# Altium PCB STM32ZET6最小系统板.PcbDoc
Units mil, origin at the board's own origin, x right, y up, seen from the top; angles counter-clockwise.
Board outline 2180 x 2150 mil, 2 copper layers (Top Layer, Bottom Layer); 53 components, 130 nets, 382 pads, 0 vias.
Unrouted connection lines stored in the file: 237.
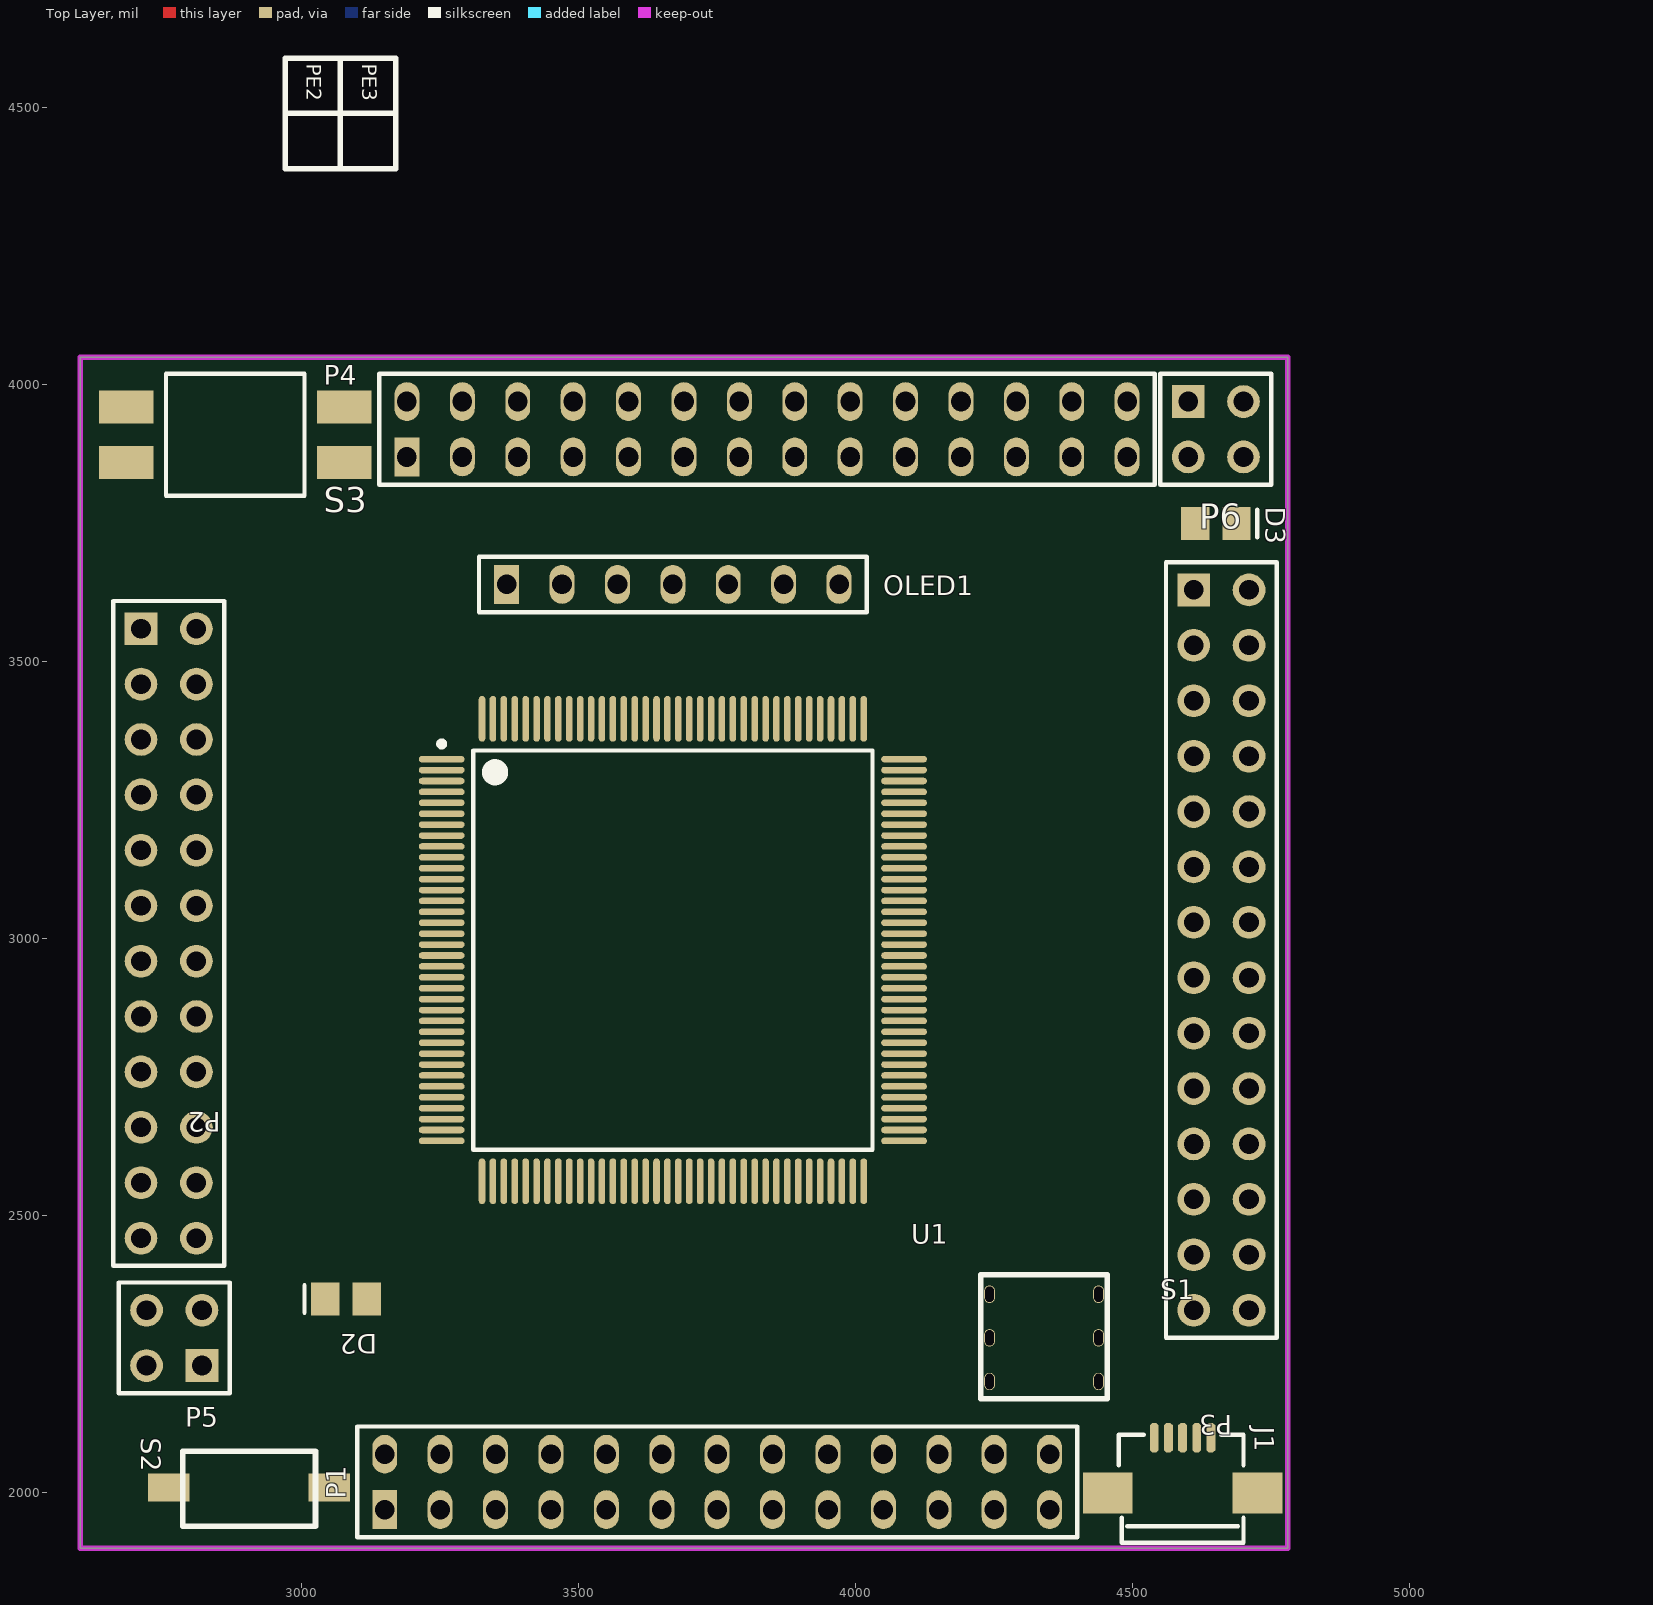
[diagram p0: Top Layer view]
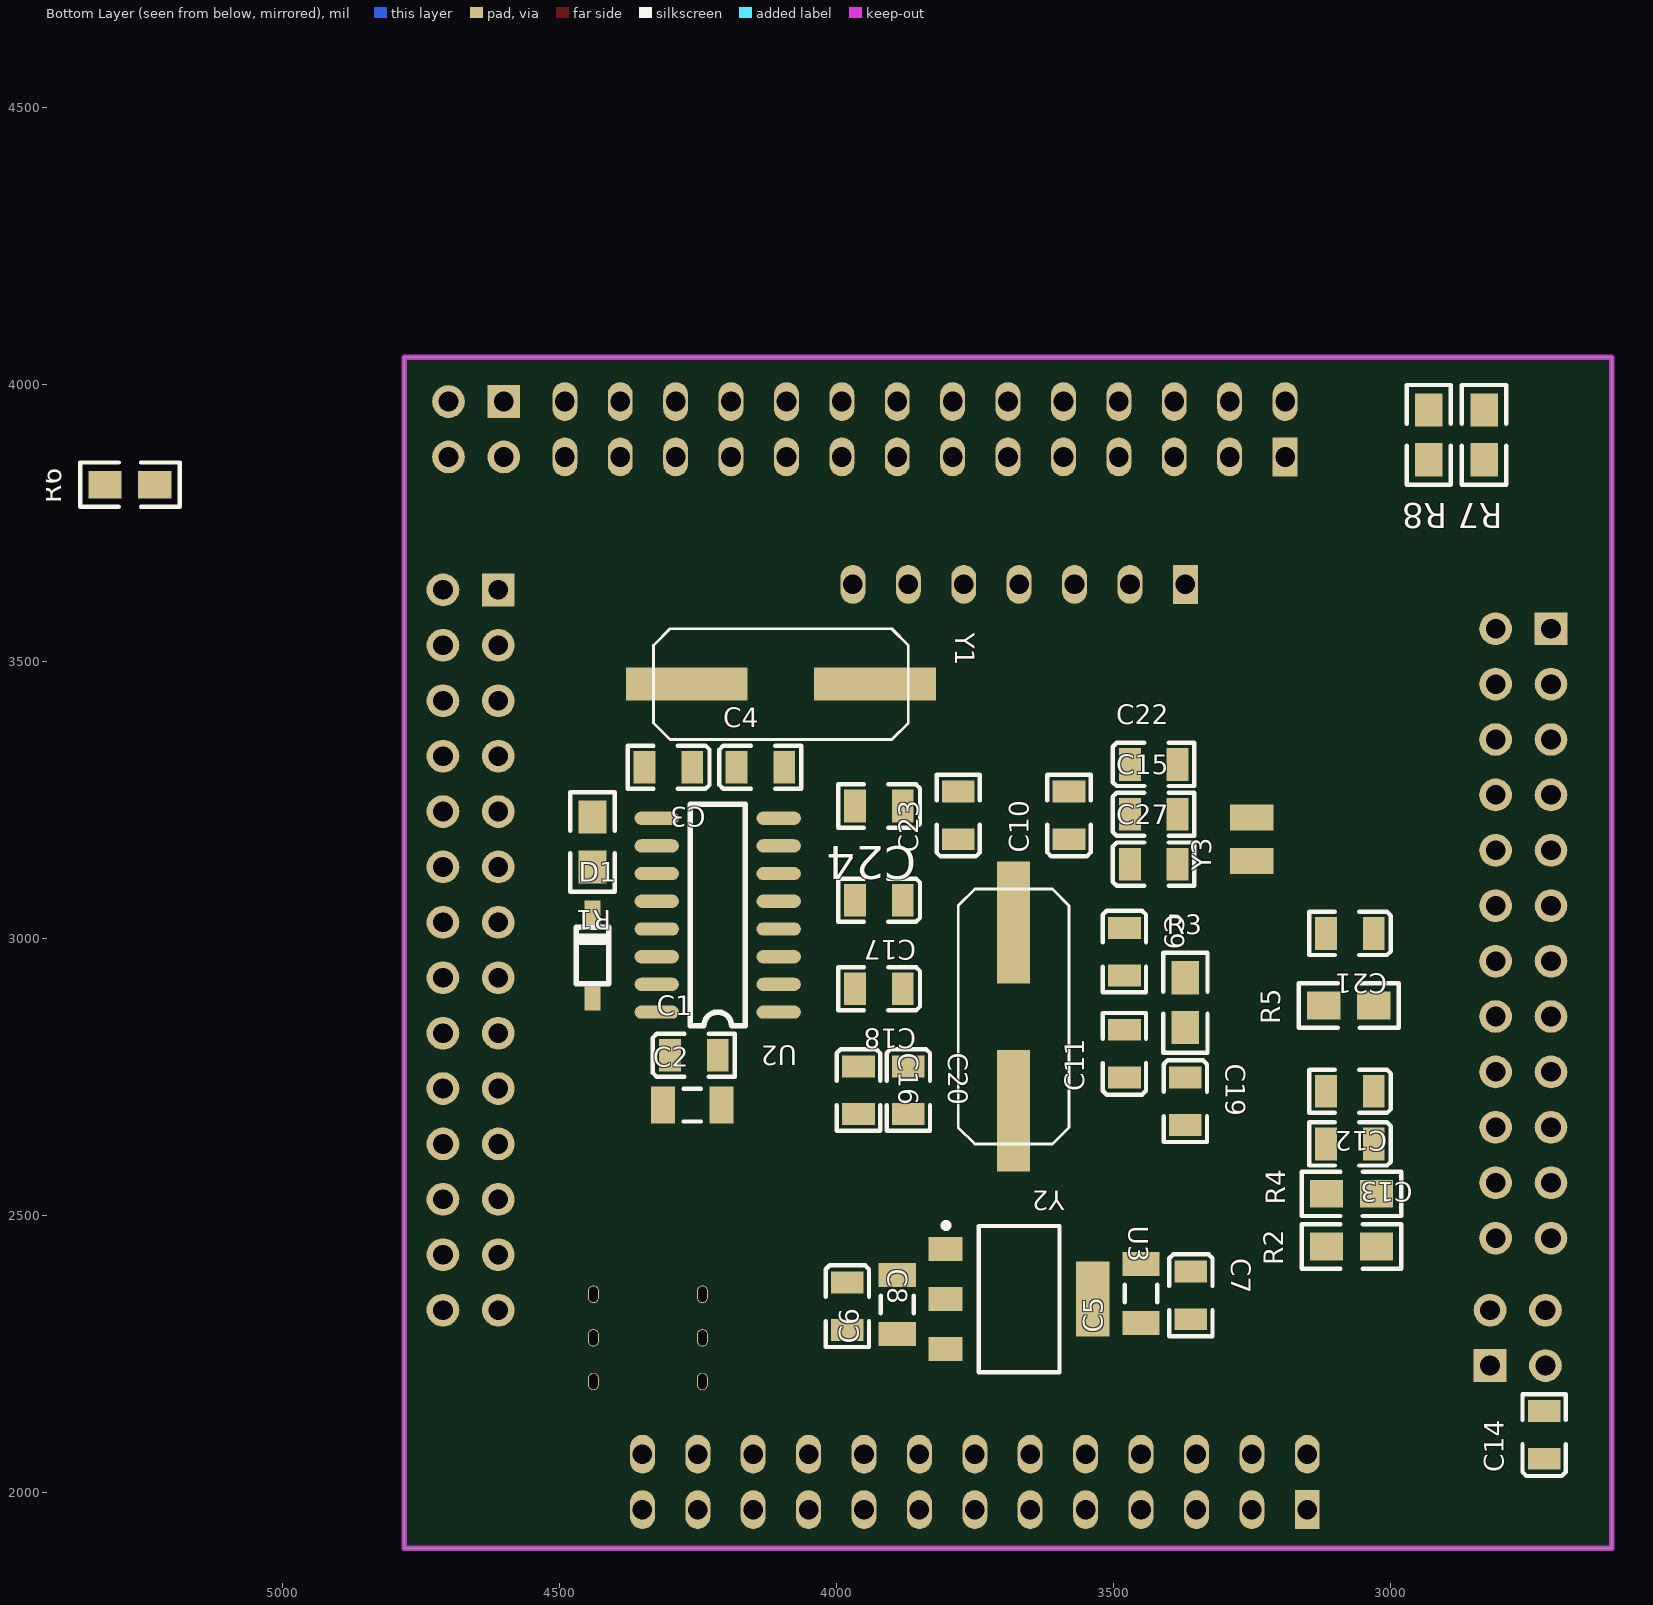
[diagram p1: Bottom Layer view, seen from below]

## Layer stack, top to bottom
Top Solder: solder mask 0.4, Solder Resist, Dk 3.5
Top Layer: signal copper 1.4
Dielectric 1: dielectric 12.6, FR-4, Dk 4.8
Bottom Layer: signal copper 1.4
Bottom Solder: solder mask 0.4, Solder Resist, Dk 3.5

## Board outline
2600,1900 2600,4050 4780,4050 4780,1900

## Design rules (kind name [scope] priority, off if disabled: settings)
Clearance [All] p1: gap=7
HoleToHoleClearance [All] p1: gap=5 allowstackedmicrovias=TRUE
MinimumSolderMaskSliver [All] p1: minsoldermaskwidth=1
PolygonConnect [All] p1: connectstyle=Relief reliefconductorwidth=10 reliefentries=4 polygonreliefangle="90 Angle" airgapwidth=10
RoutingVias [All] p1: holewidth=28 width=50 viastyle="Through Hole" minholewidth=6 minwidth=6 maxholewidth=2200 maxwidth=200
SilkToSilkClearance [All] p1: silktosilkclearance=0
SilkToSolderMaskClearance [IsPad] p1: minsilkscreentomaskgap=0 clearancetoexposedcopper=TRUE
SolderMaskExpansion [All] p1: expansion=4
Width [All] p1: maxlimit=200 minlimit=6 preferedwidth=20
26 further rules are at their usual default settings.

## Components (designator, comment, footprint, x,y, rotation, side; value= is the part's Value field where it differs from the comment)
C1 "Cap" C-0805 4300,2790 r180 bottom
C2 "Cap Pol1" C1206 4260,2700 r180 bottom
C3 "Cap" C-0805 4260,3310 r0 bottom
C4 "Cap" C-0805 4180,3310 r180 bottom
C5 "Cap Pol1" C1206 3450,2360 r90 bottom
C6 "Cap Pol1" C1206 3890,2340 r90 bottom
C7 "Cap" C-0805 3360,2399.63 r270 bottom
C8 "Cap" C-0805 3980,2380 r270 bottom
C9 "Cap" C-0805 3480,3020 r270 bottom
C10 "Cap" C-0805 3580,3180 r90 bottom
C11 "Cap" C-0805 3480,2750 r90 bottom
C12 "Cap" C-0805 3030,2725 r0 bottom
C13 "Cap" C-0805 3030,2630 r0 bottom
C14 "Cap" C-0805 2722.43,2061.72 r90 bottom
C15 "Cap" C-0805 3470,3225 r180 bottom
C16 "Cap" C-0805 3960,2770 r270 bottom
C17 "Cap" C-0805 3880,3070 r0 bottom
C18 "Cap" C-0805 3880,2910 r0 bottom
C19 "Cap" C-0805 3370,2750 r270 bottom
C20 "Cap" C-0805 3870,2770 r270 bottom
C21 "Cap" C-0805 3030,3010 r0 bottom
C22 "Cap" C-0805 3470,3315 r180 bottom
C23 "Cap" C-0805 3780,3180 r90 bottom
C24 "Cap" C-0805 3880,3240 r0 bottom
C27 "Cap" C-0805 3470,3135 r180 bottom
D1 "Diode 1N4148" SOT-123 4440,2970 r90 bottom
D2 "LED0" LED_0805 3080,2350 r180 top
D3 "LED0" LED_0805 4650,3750 r0 top
J1 "USB_M" USB_MICRO 4590,2000 r0 top
OLED1 "OLDE" HDR1X7 3370,3640 r0 top
P1 "Header 13X2" HDR2X13 3150,1970 r0 top
P2 "Header 12X2" HDR2X12 2710,3560 r270 top
P3 "Header 14X2" HDR2X14#1 4610,3630 r270 top
P4 "Header 14X2" HDR2X14#2 3190,3870 r0 top
P5 "Header 2X2H" HDR2X2 2820,2230 r90 top
P6 "SWD" HDR2X2 4600,3970 r270 top
R1 "Res2" 0805 4440,3180 r270 bottom
R2 "Res2" 0805 3065,2445 r0 bottom
R3 "Res2" 0805 3370,2880 r90 bottom
R4 "Res2" 0805 3065,2540 r0 bottom
R5 "Res2" 0805 3070,2880 r0 bottom
R6 "Res2" 0805 5270,3820 r0 bottom
R7 "Res2" 0805 2830.71,3914.85 r270 bottom
R8 "Res2" 0805 2930.71,3914.85 r270 bottom
S1 "SW-SPST" SW-mini-6pin 4340,2280 r0 top
S2 "SW-PB" 贴片开关 2910,2010 r180 top
S3 "SW DIP-2" SW4_2BIT 2880,4010 r90 top
U1 "STM32F103Z" TQFP144_N 3670,2980 r0 top locked
U2 "CH340" SO-16 4090,3040 r0 bottom
U3 "ASM1117" SOT-223 3670,2350 r270 bottom
Y1 "XTAL" XTAL-HCM49 4200,3460 r180 bottom
Y2 "8MHz" XTAL-HCM49 3680,2960 r270 bottom
Y3 "32.768kHz" X-TC 3250,3180 r90 bottom

## Footprints (in the part's own frame and the unit in brackets; to place one, negate y for a bottom-side part, rotate by r counter-clockwise, add the part's x,y. Pads: shape width x height; smd on the part's side, far side on the other; paste and mask are expansions set on the pad)
0805 [mil]
  rect 60x50 smd: 1(-40,0) 2(50,0)
  silkscreen extent -85,-40 95,40, body extent -39,-24 39,29, height 26
C1206 [mm] "Chip Capacitor, Body 3.2x1.6mm, IPC High Density"
  rect 1.1x1.7 smd: 1(-1.35,0) 2(1.35,0)
  silkscreen extent -0.4,-0.75 0.4,0.75, body extent -1.7,-0.9 1.7,0.9, height 1.3
C-0805 [mm]
  rect 1x1.5 smd: 1(0,0) 2(2.184,0)
  silkscreen extent -0.79,-0.99 2.96,0.99, body extent 0.02,-0.6 2.02,0.6, height 0.95
HDR1X7 [mil] "Connector; Header; 7 Position"
  rect 45x70 hole 35.43: 1(0,0)
  oval 45x70 hole 35.43: 2(100,0) 3(200,0) 4(300,0) 5(400,0) 6(500,0) 7(600,0)
  silkscreen extent -50,-50 650,50
HDR2X2 [mm] "Connector; Header; 2x2 Position"
  rect 1.5x1.5 hole 0.9: 1(0,0)
  round 1.5 hole 0.9: 2(0,2.54) 3(2.54,0) 4(2.54,2.54)
  silkscreen extent -1.27,-1.27 3.81,3.81
HDR2X12 [mm] "Connector; Header; 12x2 Position"
  rect 1.5x1.5 hole 0.9: 1(0,0)
  round 1.5 hole 0.9: 2(0,2.54) 3(2.54,0) 4(2.54,2.54) 5(5.08,0) 6(5.08,2.54) 7(7.62,0) 8(7.62,2.54) 9(10.16,0) 10(10.16,2.54) 11(12.7,0) 12(12.7,2.54) 13(15.24,0) 14(15.24,2.54) 15(17.78,0) 16(17.78,2.54) 17(20.32,0) 18(20.32,2.54) 19(22.86,0) 20(22.86,2.54) 21(25.4,0) 22(25.4,2.54) 23(27.94,0) 24(27.94,2.54)
  silkscreen extent -1.27,-1.27 29.21,3.81
HDR2X13 [mil] "Connector; Header; 13x2 Position"
  rect 45x70 hole 35.43: 1(0,0)
  oval 45x70 hole 35.43: 2(0,100) 3(100,0) 4(100,100) 5(200,0) 6(200,100) 7(300,0) 8(300,100) 9(400,0) 10(400,100) 11(500,0) 12(500,100) 13(600,0) 14(600,100) 15(700,0) 16(700,100) 17(800,0) 18(800,100) 19(900,0) 20(900,100) 21(1000,0) 22(1000,100) 23(1100,0) 24(1100,100) 25(1200,0) 26(1200,100)
  silkscreen extent -50,-50 1250,150
HDR2X14#1 [mm] "Connector; Header; 14x2 Position"
  rect 1.5x1.5 hole 0.9: 1(0,0)
  round 1.5 hole 0.9: 2(0,2.54) 3(2.54,0) 4(2.54,2.54) 5(5.08,0) 6(5.08,2.54) 7(7.62,0) 8(7.62,2.54) 9(10.16,0) 10(10.16,2.54) 11(12.7,0) 12(12.7,2.54) 13(15.24,0) 14(15.24,2.54) 15(17.78,0) 16(17.78,2.54) 17(20.32,0) 18(20.32,2.54) 19(22.86,0) 20(22.86,2.54) 21(25.4,0) 22(25.4,2.54) 23(27.94,0) 24(27.94,2.54) 25(30.48,0) 26(30.48,2.54) 27(33.02,0) 28(33.02,2.54)
  silkscreen extent -1.27,-1.27 34.29,3.81
HDR2X14#2 [mm] "Connector; Header; 14x2 Position"
  rect 1.143x1.778 hole 0.9: 1(0,0)
  oval 1.143x1.778 hole 0.9: 2(0,2.54) 3(2.54,0) 4(2.54,2.54) 5(5.08,0) 6(5.08,2.54) 7(7.62,0) 8(7.62,2.54) 9(10.16,0) 10(10.16,2.54) 11(12.7,0) 12(12.7,2.54) 13(15.24,0) 14(15.24,2.54) 15(17.78,0) 16(17.78,2.54) 17(20.32,0) 18(20.32,2.54) 19(22.86,0) 20(22.86,2.54) 21(25.4,0) 22(25.4,2.54) 23(27.94,0) 24(27.94,2.54) 25(30.48,0) 26(30.48,2.54) 27(33.02,0) 28(33.02,2.54)
  silkscreen extent -1.27,-1.27 34.29,3.81
LED_0805 [mm] "贴片二极管"
  rect 1.3x1.5 smd: 1(-0.95,0) 2(0.95,0)
  silkscreen extent 1.91,-0.63 1.91,0.64
SO-16 [mil]
  oval 80x24 smd: 1(14,172) 2(14,122) 3(14,72) 4(14,22) 5(14,-28) 6(14,-78) 7(14,-128) 8(14,-178) 9(234,-178) 10(234,-128) 11(234,-78) 12(234,-28) 13(234,22) 14(234,72) 15(234,122) 16(234,172)
  silkscreen extent 74,-203 174,197, body extent 7,-200 243,194, height 71
SOT-123 [mm]
  rect 1.1x0.75 smd: 1(-1.975,0) 2(1.975,0)
  silkscreen extent -1.3,-0.75 1.3,0.75
SOT-223 [mm]
  rect 1.1x1.55 smd: 1(-2.3,-3.375) 2(0,-3.375) 3(2.3,-3.375)
  rect 3.45x1.55 smd: 4(0,3.375)
  silkscreen extent -3.5,-3.48 3.35,1.85, body extent -3.3,-3.94 3.3,3.43, height 0.8
SW4_2BIT [mm] "贴片拨码开关"
  rect 1.5x2.5 smd: 1(-3.81,-5) 2(-1.27,-5) 3(-1.27,5) 4(-3.81,5)
  silkscreen extent -5.33,-3.18 0.25,3.17, body extent -4.57,-2.03 -0.51,2.41, height 2.15
SW-mini-6pin [mm] "5.8*5.8mm"
  oval 0.5x0.8 hole 0.4 slot 0.7 at 90 deg: 1(2.5,2) 2(2.5,0) 3(2.5,-2) 4(-2.5,-2) 5(-2.5,0) 6(-2.5,2)
  silkscreen extent -2.9,-2.8 2.9,2.9
TQFP144_N [mm] "TTM32V103ZET6"
  oval 2.1x0.3 smd: 1(-10.6,8.75) 2(-10.6,8.25) 3(-10.6,7.75) 4(-10.6,7.25) 5(-10.6,6.75) 6(-10.6,6.25) 7(-10.6,5.75) 8(-10.6,5.25) 9(-10.6,4.75) 10(-10.6,4.25) 11(-10.6,3.75) 12(-10.6,3.25) 13(-10.6,2.75) 14(-10.6,2.25) 15(-10.6,1.75) 16(-10.6,1.25) 17(-10.6,0.75) 18(-10.6,0.25) 19(-10.6,-0.25) 20(-10.6,-0.75) 21(-10.6,-1.25) 22(-10.6,-1.75) 23(-10.6,-2.25) 24(-10.6,-2.75) 25(-10.6,-3.25) 26(-10.6,-3.75) 27(-10.6,-4.25) 28(-10.6,-4.75) 29(-10.6,-5.25) 30(-10.6,-5.75) 31(-10.6,-6.25) 32(-10.6,-6.75) 33(-10.6,-7.25) 34(-10.6,-7.75) 35(-10.6,-8.25) 36(-10.6,-8.75) 73(10.6,-8.75) 74(10.6,-8.25) 75(10.6,-7.75) 76(10.6,-7.25) 77(10.6,-6.75) 78(10.6,-6.25) 79(10.6,-5.75) 80(10.6,-5.25) 81(10.6,-4.75) 82(10.6,-4.25) 83(10.6,-3.75) 84(10.6,-3.25) 85(10.6,-2.75) 86(10.6,-2.25) 87(10.6,-1.75) 88(10.6,-1.25) 89(10.6,-0.75) 90(10.6,-0.25) 91(10.6,0.25) 92(10.6,0.75) 93(10.6,1.25) 94(10.6,1.75) 95(10.6,2.25) 96(10.6,2.75) 97(10.6,3.25) 98(10.6,3.75) 99(10.6,4.25) 100(10.6,4.75) 101(10.6,5.25) 102(10.6,5.75) 103(10.6,6.25) 104(10.6,6.75) 105(10.6,7.25) 106(10.6,7.75) 107(10.6,8.25) 108(10.6,8.75)
  oval 0.3x2.1 smd: 37(-8.75,-10.6) 38(-8.25,-10.6) 39(-7.75,-10.6) 40(-7.25,-10.6) 41(-6.75,-10.6) 42(-6.25,-10.6) 43(-5.75,-10.6) 44(-5.25,-10.6) 45(-4.75,-10.6) 46(-4.25,-10.6) 47(-3.75,-10.6) 48(-3.25,-10.6) 49(-2.75,-10.6) 50(-2.25,-10.6) 51(-1.75,-10.6) 52(-1.25,-10.6) 53(-0.75,-10.6) 54(-0.25,-10.6) 55(0.25,-10.6) 56(0.75,-10.6) 57(1.25,-10.6) 58(1.75,-10.6) 59(2.25,-10.6) 60(2.75,-10.6) 61(3.25,-10.6) 62(3.75,-10.6) 63(4.25,-10.6) 64(4.75,-10.6) 65(5.25,-10.6) 66(5.75,-10.6) 67(6.25,-10.6) 68(6.75,-10.6) 69(7.25,-10.6) 70(7.75,-10.6) 71(8.25,-10.6) 72(8.75,-10.6) 109(8.75,10.6) 110(8.25,10.6) 111(7.75,10.6) 112(7.25,10.6) 113(6.75,10.6) 114(6.25,10.6) 115(5.75,10.6) 116(5.25,10.6) 117(4.75,10.6) 118(4.25,10.6) 119(3.75,10.6) 120(3.25,10.6) 121(2.75,10.6) 122(2.25,10.6) 123(1.75,10.6) 124(1.25,10.6) 125(0.75,10.6) 126(0.25,10.6) 127(-0.25,10.6) 128(-0.75,10.6) 129(-1.25,10.6) 130(-1.75,10.6) 131(-2.25,10.6) 132(-2.75,10.6) 133(-3.25,10.6) 134(-3.75,10.6) 135(-4.25,10.6) 136(-4.75,10.6) 137(-5.25,10.6) 138(-5.75,10.6) 139(-6.25,10.6) 140(-6.75,10.6) 141(-7.25,10.6) 142(-7.75,10.6) 143(-8.25,10.6) 144(-8.75,10.6)
  silkscreen extent -10.72,-9.15 9.15,9.57, body extent -10,-10 10,10, height 1.6
USB_MICRO [mm] "USB方孔"
  oct 0.4x1.35 smd: 1(-1.3,2.54) 2(-0.65,2.54) 3(0,2.54) 4(0.65,2.54) 5(1.3,2.54)
  rect 2.286x1.9 smd: 6(3.429,0) 7(-3.429,0)
  silkscreen extent -2.92,-2.29 2.79,2.67
X-TC [mm] "圆柱晶振1"
  rect 1.2x2 smd: 1(-1,0) 2(1,0)
XTAL-HCM49 [mil]
  rect 220x60 smd: 1(-70,0) 2(270,0)
  silkscreen extent -130,-100 330,100, body extent -184,-103 384,103
贴片开关 [mm]
  rect 1.9x1.3 smd: 1(-3.556,0) 2(3.81,0)
  silkscreen extent -2.92,-1.65 3.17,1.78, body extent -3.91,-1.78 4.23,1.82, height 2.49

## Part data
C1 C3 C4 C7 C8 C9 C10 C11 C12 C13 C14 C15 C16 C17 C18 C19 C20 C21 C22 C23 C24 C27: "Capacitor"
C2 C5 C6: "Polarized Capacitor (Radial)"
D1: library part "Diode 1N4006", "1 Amp General Purpose Rectifier"
D2 D3: "Typical INFRARED GaAs LED"
J1: "MicroUSB接口"
OLED1: library part OLED-0.96寸
P1: "Header, 13-Pin, Dual row"
P2: "Header, 12-Pin, Dual row"
P3 P4: "Header, 14-Pin, Dual row"
P5: "Header, 2-Pin, Dual row, Right Angle"
P6: library part "Header 2X2", "Header, 2-Pin, Dual row"
R1 R2 R3 R4 R5 R6 R7 R8: "Resistor"
S1: "Single-Pole, Single-Throw Switch"
S2: "Switch"
S3: "编码开关"
U1: "STM32单片机144引脚"
U3: "3.3V稳压芯片"
Y1: "Crystal Oscillator"
Y2 Y3: library part XTAL, "Crystal Oscillator"

## Nets (pads, with @x,y where several pads share a name; then routed paths per layer and width w, separated by ;. In a path a pad name is that pad's centre, name@x,y a point inside that pad or via, vN(x,y) a via of type N, cw(c..) or ccw(c..) an arc to the next point about the centre after c; other vN are vias at no path point)
+3.3V: C5.1 C7.2 C10.2 C16.2 C17.2 C18.2 C19.2 C20.2 C21.2 C22.2 C23.2 C24.2 OLED1.2 P5.1 P5.3 P6.3 R2.1 R4.1 R5.2 R6.1 R7.2 R8.2 U1.6 U1.17 U1.39 U1.52 U1.62 U1.72 U1.84 U1.95 U1.108 U1.121 U1.131 U1.144 U3.2 U3.4
BOOT0: R8.1 S3.2 U1.138
BOOT1: R7.1 S3.1 U1.48
CRXD: R1.2 U2.3
CTXD: D1.1 U2.2
CXTAL1: C3.1 U2.7 Y1.1
CXTAL2: C4.1 U2.8 Y1.2
D+: J1.3 U2.5
D-: J1.2 U2.6
DC_IN: C6.1 C8.2 S1.2 U3.3
GND: C1.2 C2.2 C3.2 C4.2 C5.2 C6.2 C7.1 C8.1 C9.2 C10.1 C11.2 C12.1 C13.1 C14.2 C15.1 C16.1 C17.1 C18.1 C19.1 C20.1 C21.1 C22.1 C23.1 C24.1 C27.1 D2.2 J1.5 OLED1.1 OLED1.7 P5.2 P5.4 P6.4 S2.2 S3.3 S3.4 U1.16 U1.30 U1.31 U1.38 U1.51 U1.61 U1.71 U1.83 U1.94 U1.107 U1.120 U1.130 U1.143 U2.1 U3.1
NetC1_1: C1.1 U2.4
NetC9_1: C9.1 R3.2 U1.23 Y2.1
NetC11_1: C11.1 R3.1 U1.24 Y2.2
NetC12_2: C12.2 C13.2 R4.2 U1.32 U1.33
NetD2_1: D2.1 R2.2
NetD3_1: D3.1 R6.2
OSC32_IN: C15.2 U1.8 Y3.2
OSC32_OUT: C27.2 U1.9 Y3.1
PA0: P2.21 U1.34
PA1: P2.24 U1.35
PA2: P2.23 U1.36
PA3: P1.2 U1.37
PA4: P1.1 U1.40
PA5: P1.4 U1.41
PA6: P1.3 U1.42
PA7: P1.6 U1.43
PA8: P3.5 U1.100
PA11: P3.2 U1.103
PA12: P3.1 U1.104
PA15: P4.27 U1.110
PB0: P1.7 U1.46
PB1: P1.10 U1.47
PB3: OLED1.3 P4.10 U1.133
PB4: P4.7 U1.134
PB5: P4.8 U1.135
PB6: P4.5 U1.136
PB7: P4.6 U1.137
PB8: P4.3 U1.139
PB9: P4.4 U1.140
PB10: P1.26 U1.69
PB11: P1.25 U1.70
PB12: P3.28 U1.73
PB13: P3.27 U1.74
PB14: P3.26 U1.75
PB15: P3.25 U1.76
PC0: P2.17 U1.26
PC1: P2.20 U1.27
PC2: P2.19 U1.28
PC3: P2.22 U1.29
PC4: P1.5 U1.44
PC5: P1.8 U1.45
PC6: P3.9 U1.96
PC7: P3.8 U1.97
PC8: P3.7 U1.98
PC9: P3.6 U1.99
PC10: P4.28 U1.111
PC11: P4.25 U1.112
PC12: P4.26 U1.113
PC13: P2.5 U1.7
PD0: P4.23 U1.114
PD1: P4.24 U1.115
PD2: P4.21 U1.116
PD3: P4.22 U1.117
PD4: P4.19 U1.118
PD5: P4.20 U1.119
PD6: P4.17 U1.122
PD7: P4.18 U1.123
PD8: P3.24 U1.77
PD9: P3.23 U1.78
PD10: P3.22 U1.79
PD11: P3.21 U1.80
PD12: P3.20 U1.81
PD13: P3.19 U1.82
PD14: P3.18 U1.85
PD15: P3.17 U1.86
PE0: P4.1 U1.141
PE1: P4.2 U1.142
PE2: P2.2 U1.1
PE3: P2.1 U1.2
PE4: P2.4 U1.3
PE5: P2.3 U1.4
PE6: P2.6 U1.5
PE7: P1.15 U1.58
PE8: P1.18 U1.59
PE9: P1.17 U1.60
PE10: P1.20 U1.63
PE11: P1.19 U1.64
PE12: P1.22 U1.65
PE13: P1.21 U1.66
PE14: P1.24 U1.67
PE15: P1.23 U1.68
PF0: P2.8 U1.10
PF1: P2.7 U1.11
PF2: P2.10 U1.12
PF3: P2.9 U1.13
PF4: P2.12 U1.14
PF5: P2.11 U1.15
PF6: P2.14 U1.18
PF7: P2.13 U1.19
PF8: P2.16 U1.20
PF9: P2.15 U1.21
PF10: P2.18 U1.22
PF11: P1.9 U1.49
PF12: P1.12 U1.50
PF13: P1.11 U1.53
PF14: P1.14 U1.54
PF15: U1.55
PG0: P1.13 U1.56
PG1: P1.16 U1.57
PG2: P3.16 U1.87
PG3: P3.15 U1.88
PG4: P3.14 U1.89
PG5: P3.13 U1.90
PG6: P3.12 U1.91
PG7: P3.11 U1.92
PG8: P3.10 U1.93
PG9: P4.15 U1.124
PG10: OLED1.6 P4.16 U1.125
PG11: P4.13 U1.126
PG12: OLED1.5 P4.14 U1.127
PG13: P4.11 U1.128
PG14: OLED1.4 P4.12 U1.129
PG15: P4.9 U1.132
POWER: C2.1 J1.1 S1.1 U2.16
REST: C14.1 R5.1 S2.1 U1.25
RXD: P3.4 R1.1 U1.101
SWCLK: D3.2 P6.1 U1.109
SWDIO: P6.2 U1.105
TXD: D1.2 P3.3 U1.102
pads on no net: J1.4 J1.6 J1.7 S1.3 S1.4 S1.5 S1.6 U1.106 U2.9 U2.10 U2.11 U2.12 U2.13 U2.14 U2.15

## Keep-outs
Keep-Out Layer:
  the board outline again, w10

## Silkscreen, mask and mechanical layers (free items; w line width, h text height)
Top Overlay:
  lines w10: 3070,4390 3070,4590 ; 2970,4590 3170,4590 3170,4490 ; 2970,4590 2970,4390 3170,4390 3170,4490 ; 2970,4590 2970,4490 3170,4490
  text "PE2" at 3000,4580 h45 r270
  text "PE3" at 3100,4580 h45 r270